# Altium PCB CamLink.PcbDoc (part 1 of 2)
Units mm, origin at the board's own origin, x right, y up, seen from the top; angles counter-clockwise.
Board outline 65 x 55 mm, 4 copper layers (TOP SIG, PWR, GND, BOT SIG), stack 1.586 mm thick; 156 components, 103 nets, 427 pads, 248 vias.
Unrouted connection lines stored in the file: 2.
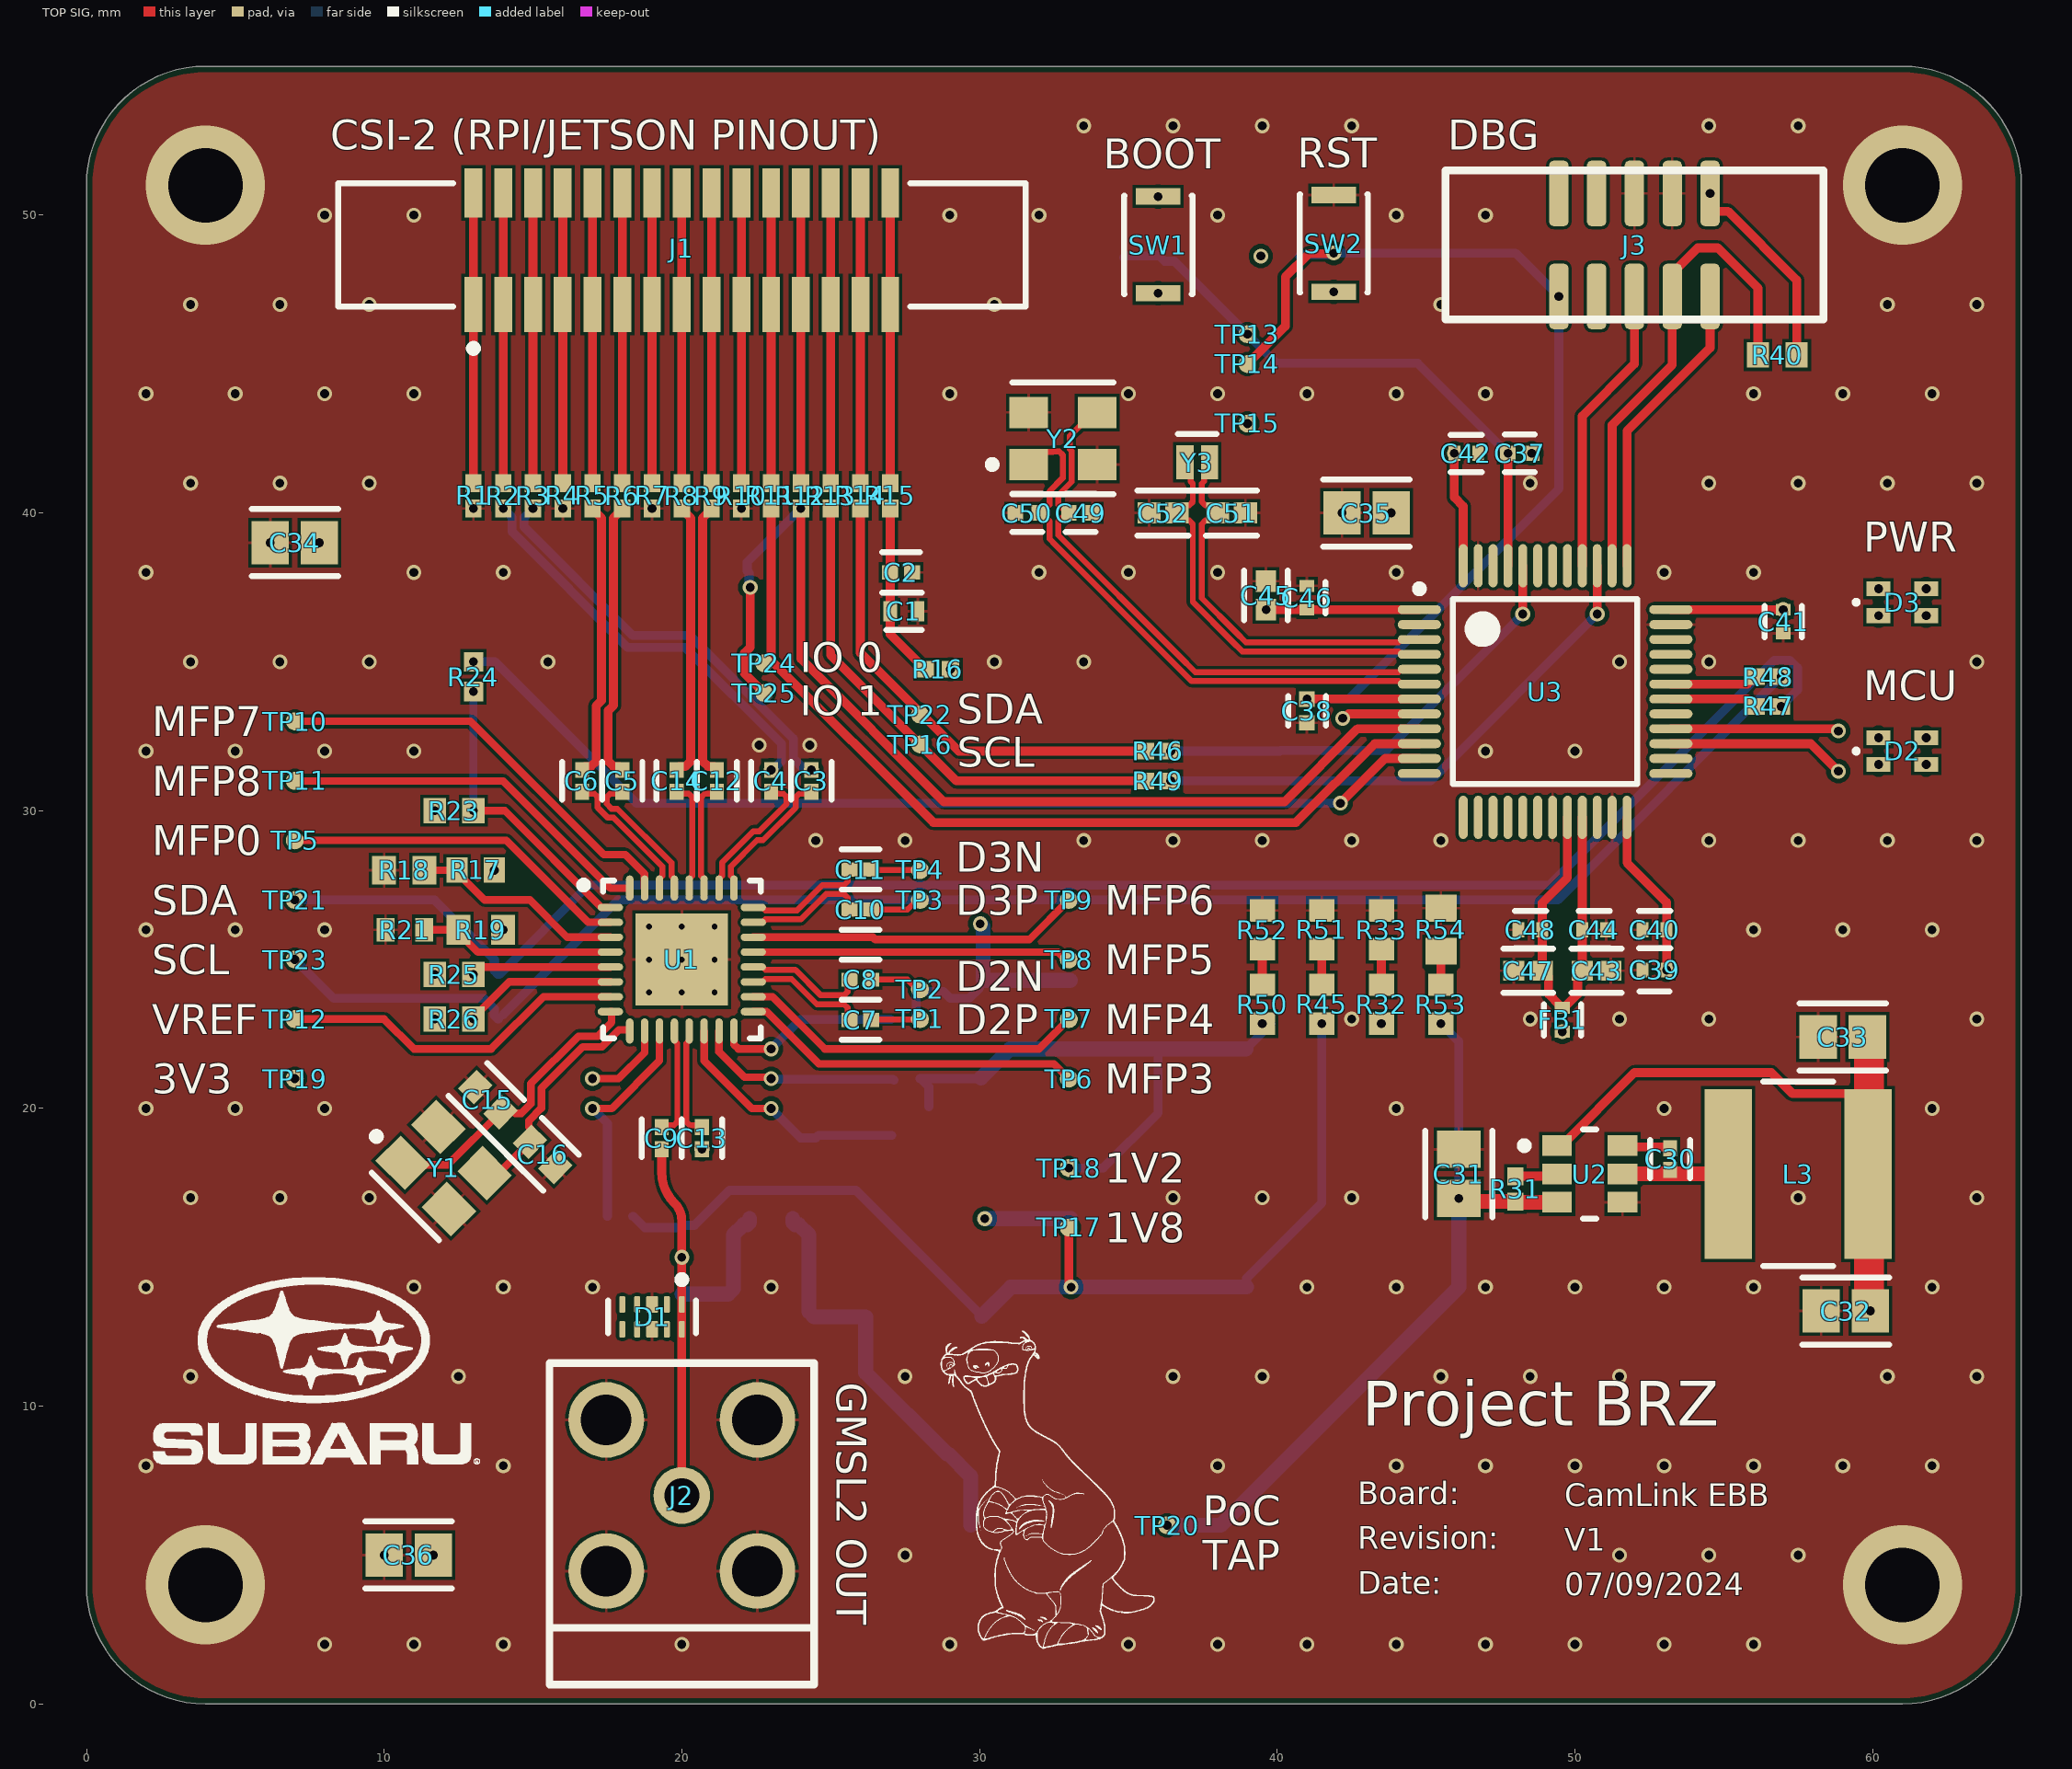
[diagram p0: TOP SIG view]
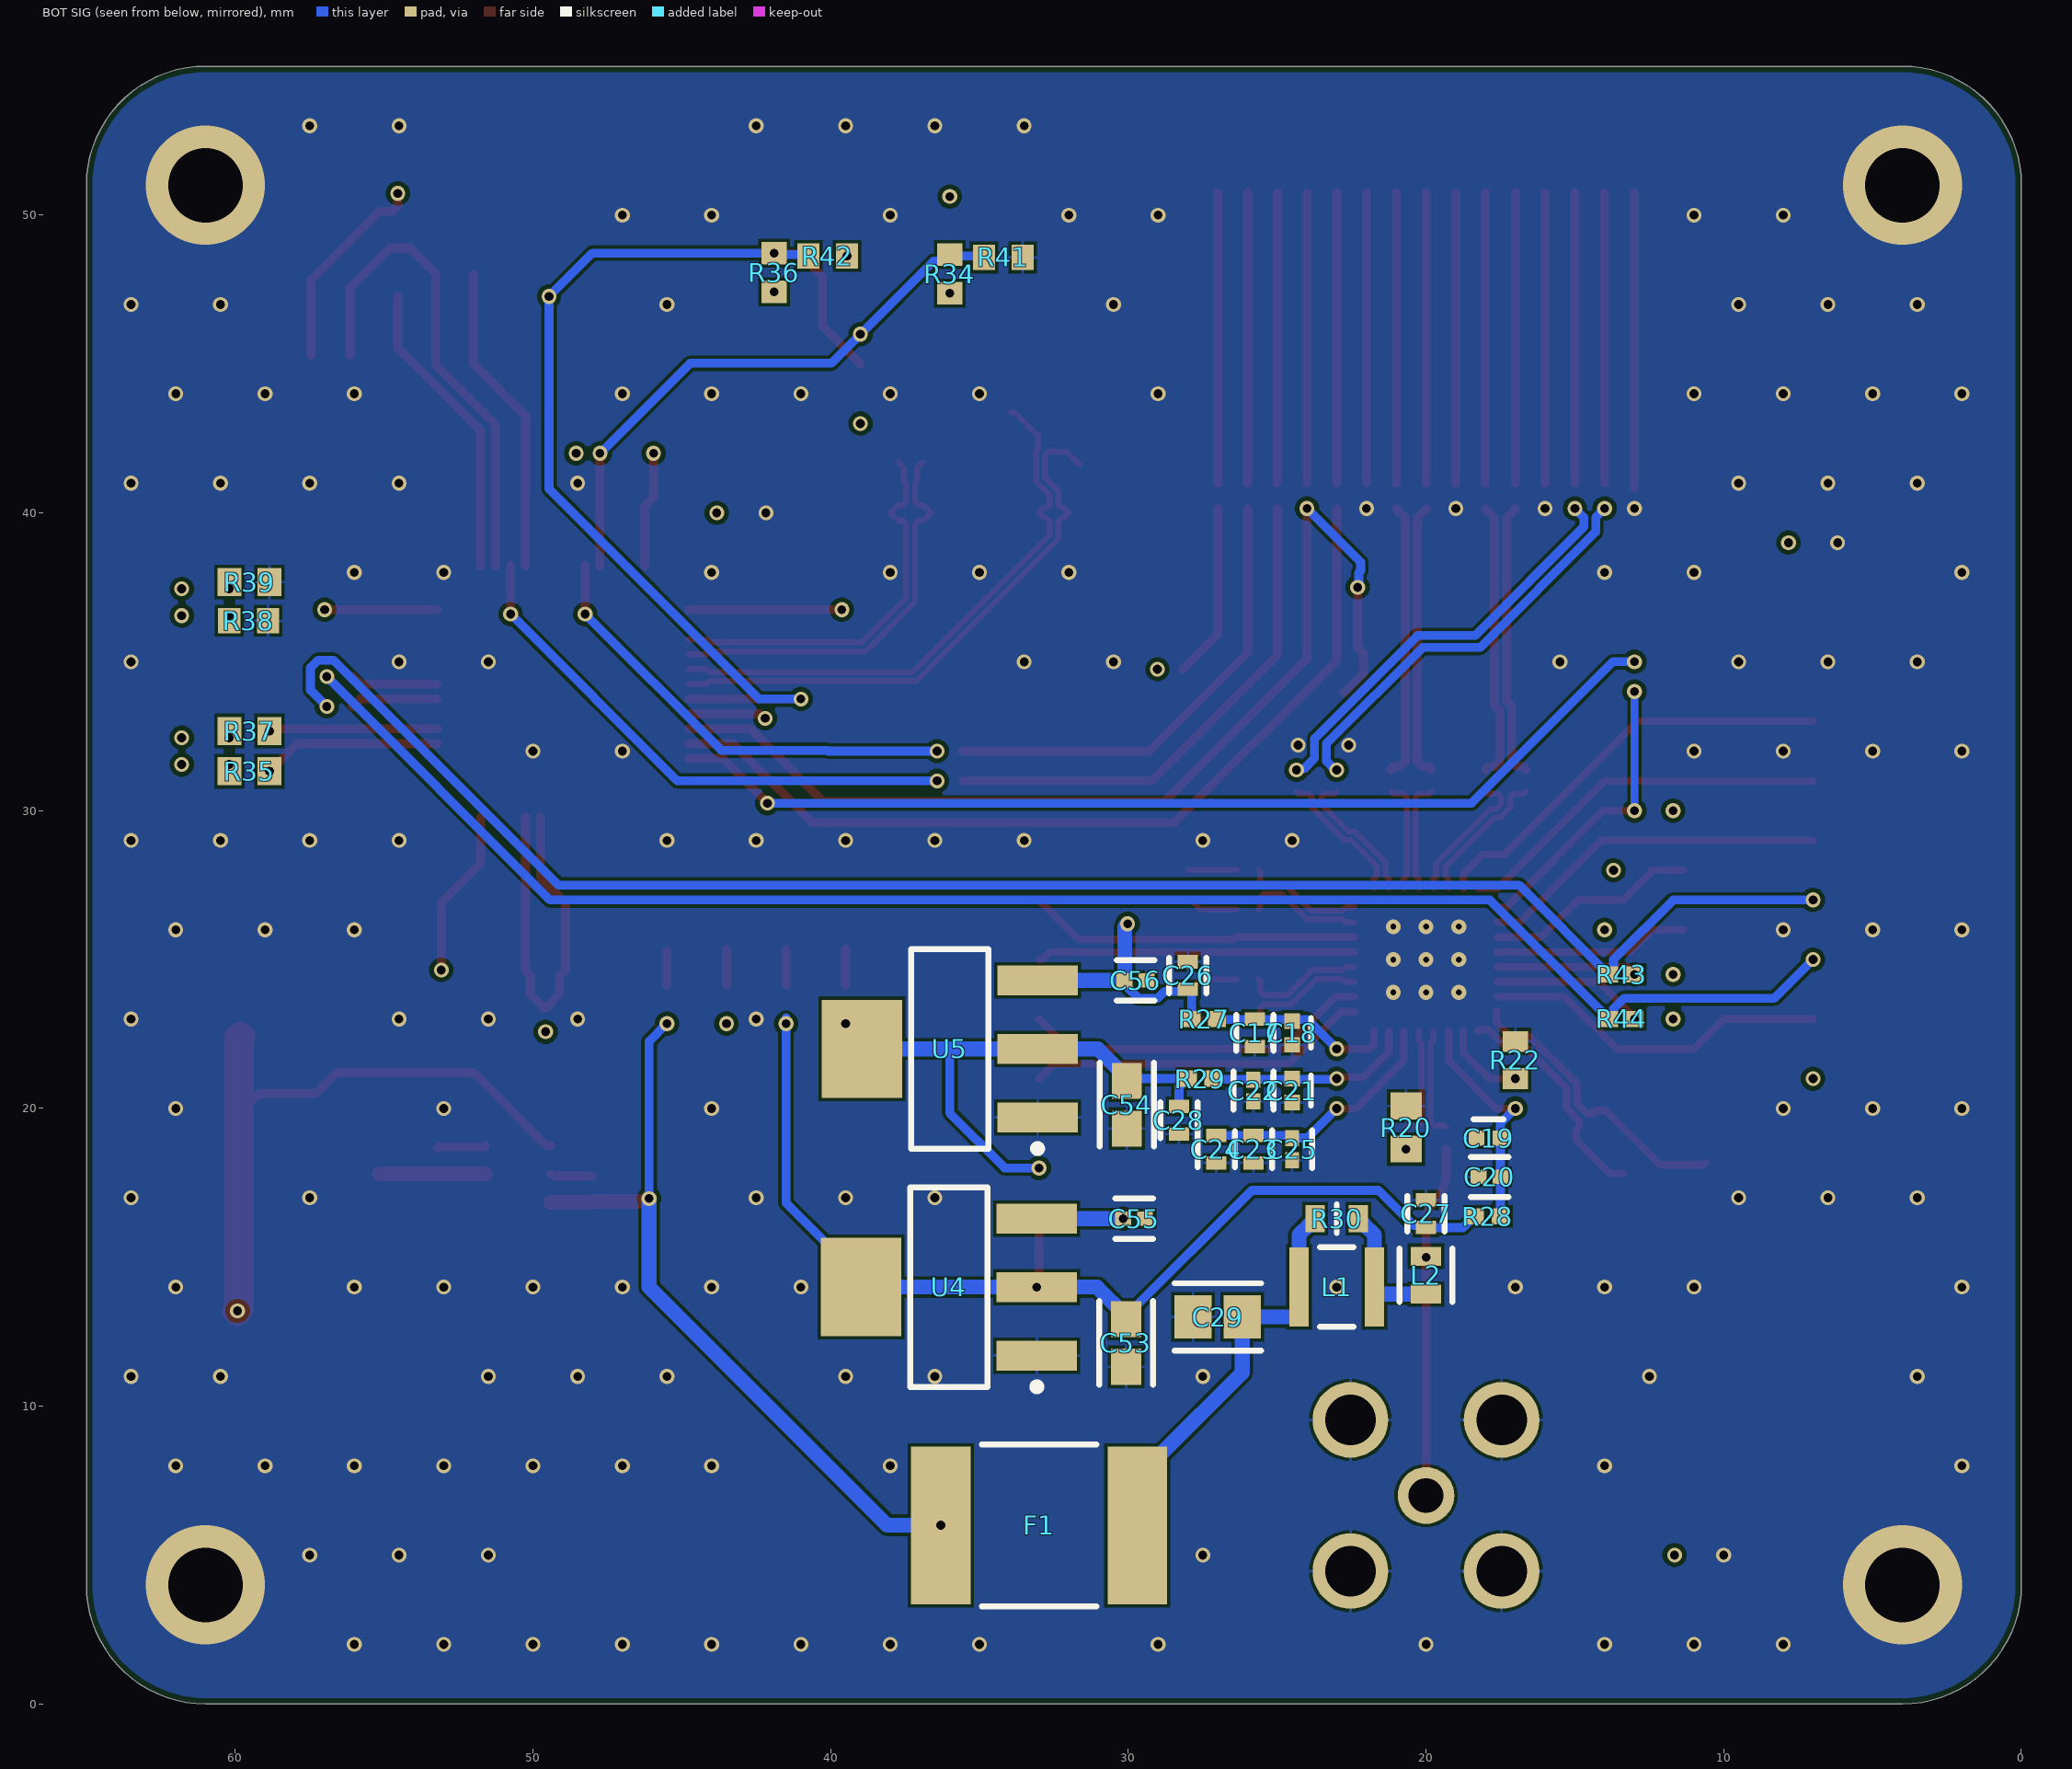
[diagram p1: BOT SIG view, seen from below]
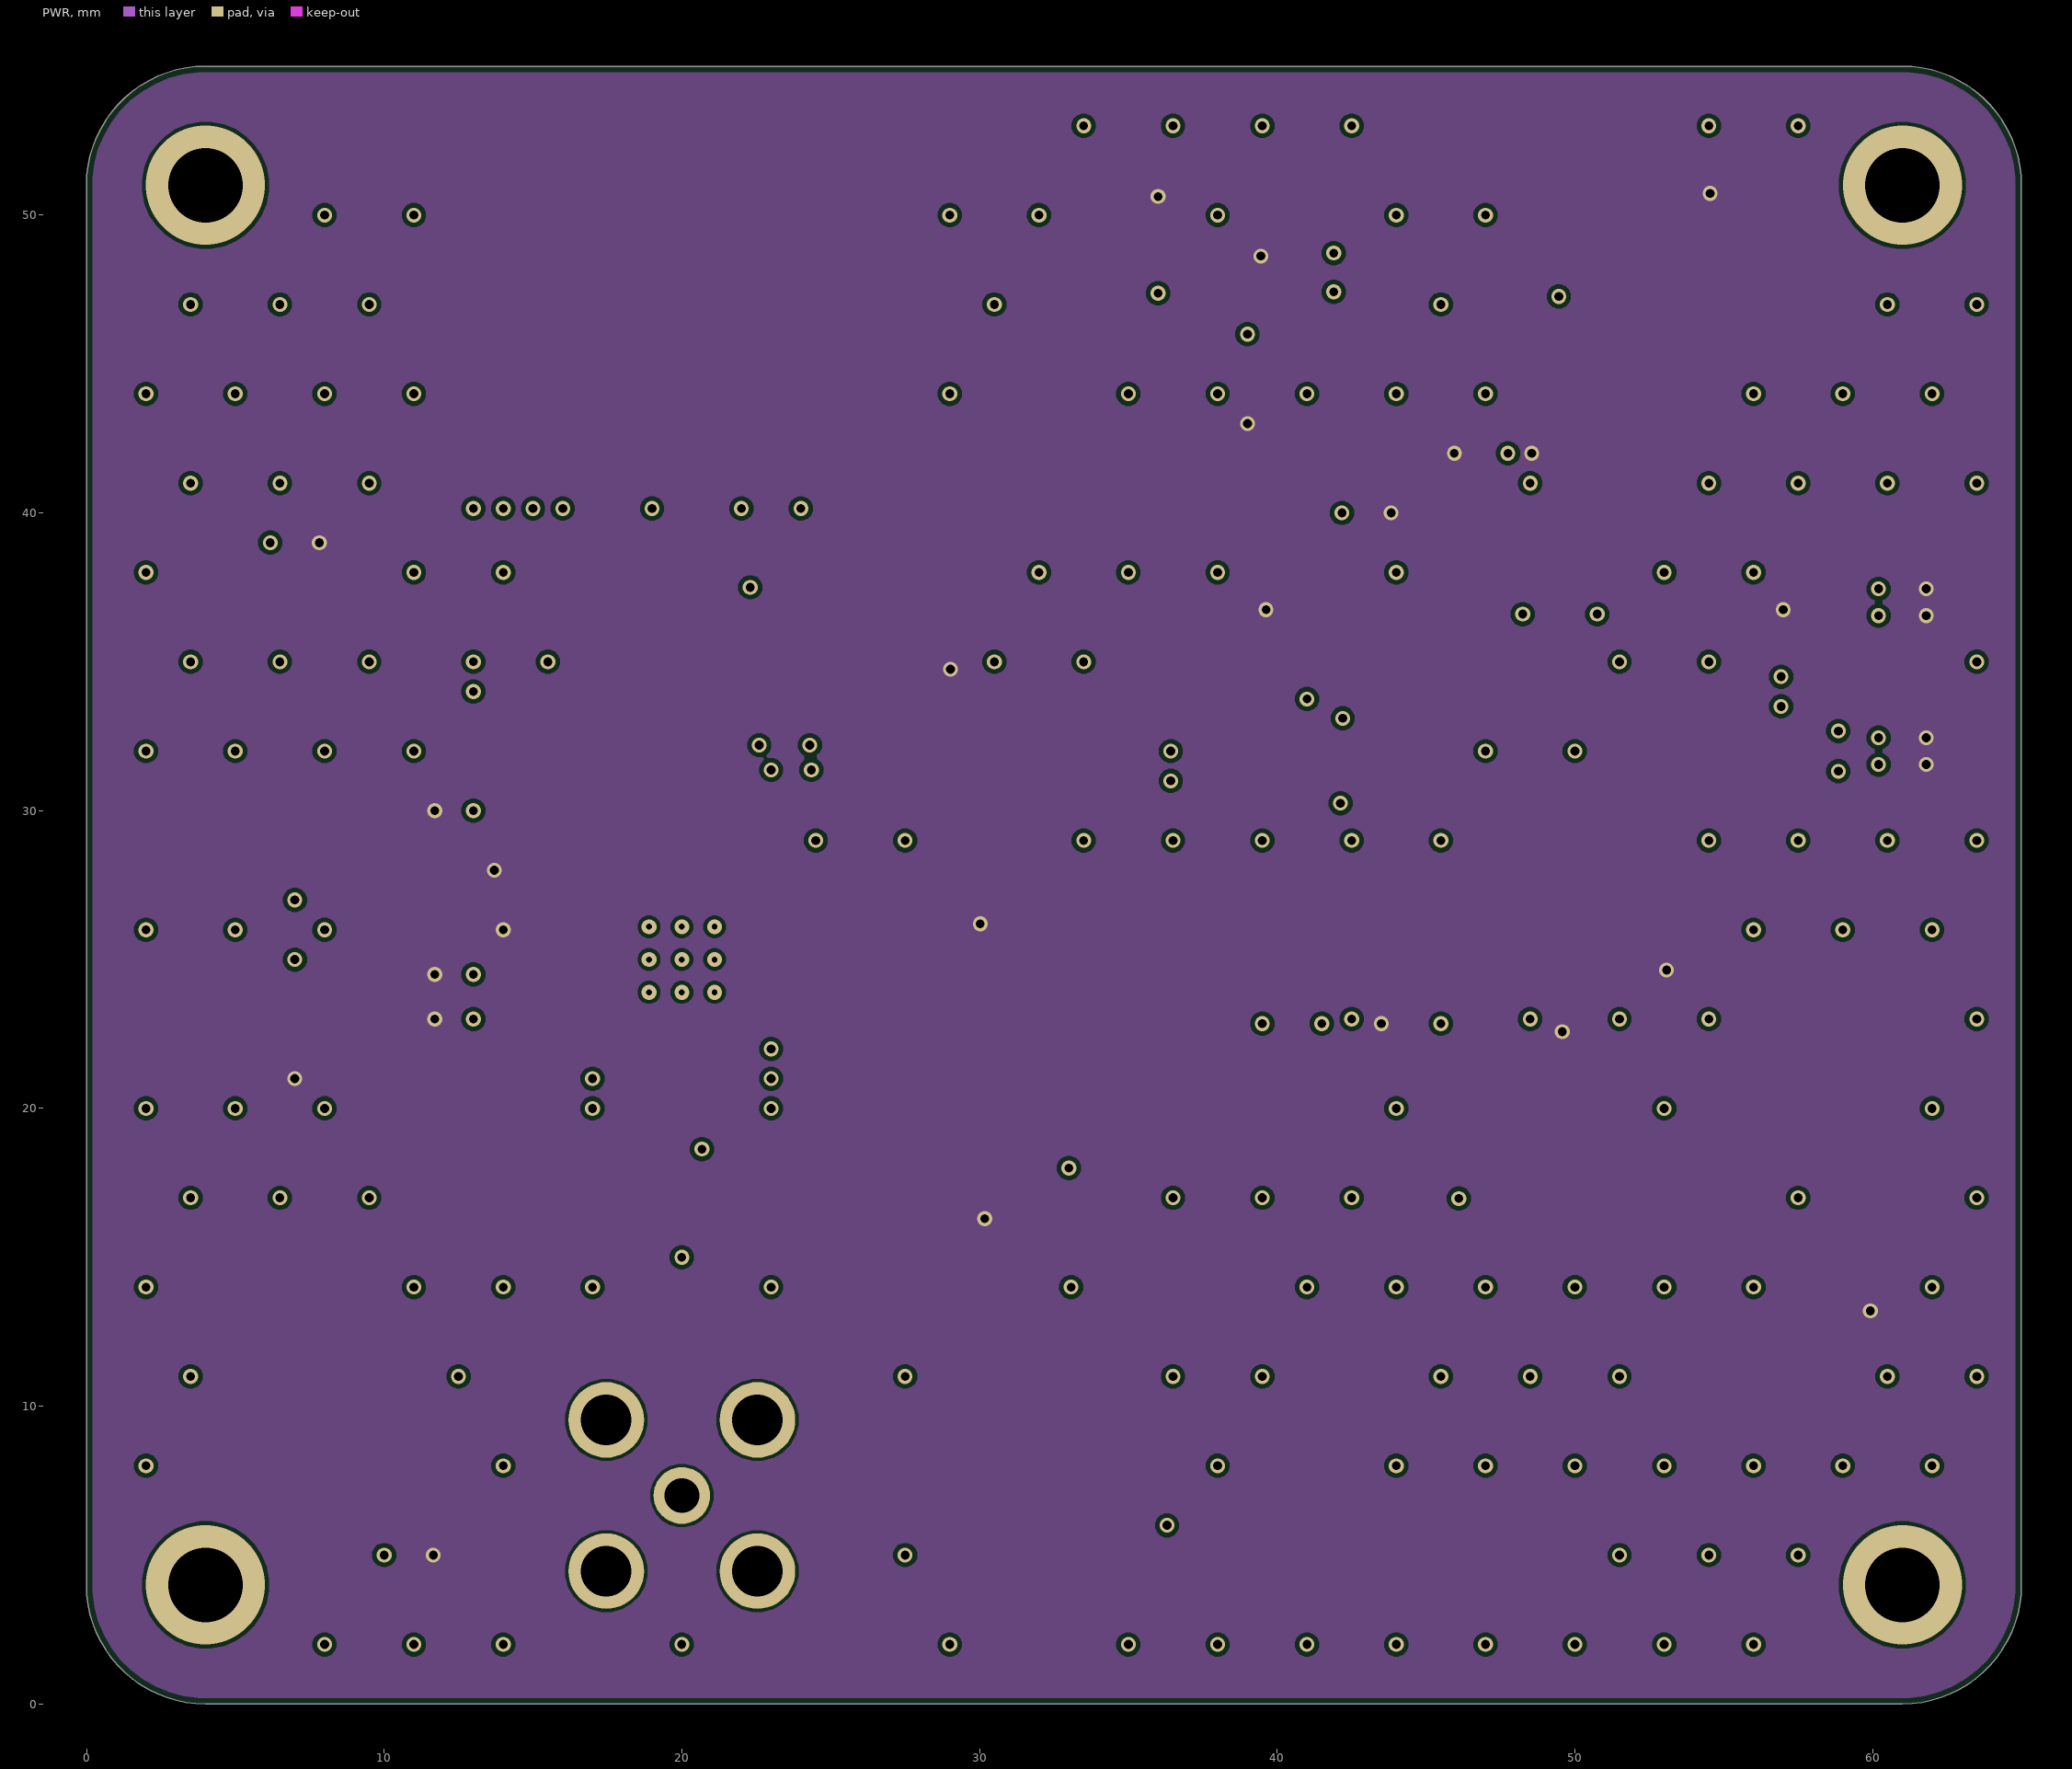
[diagram p2: PWR]
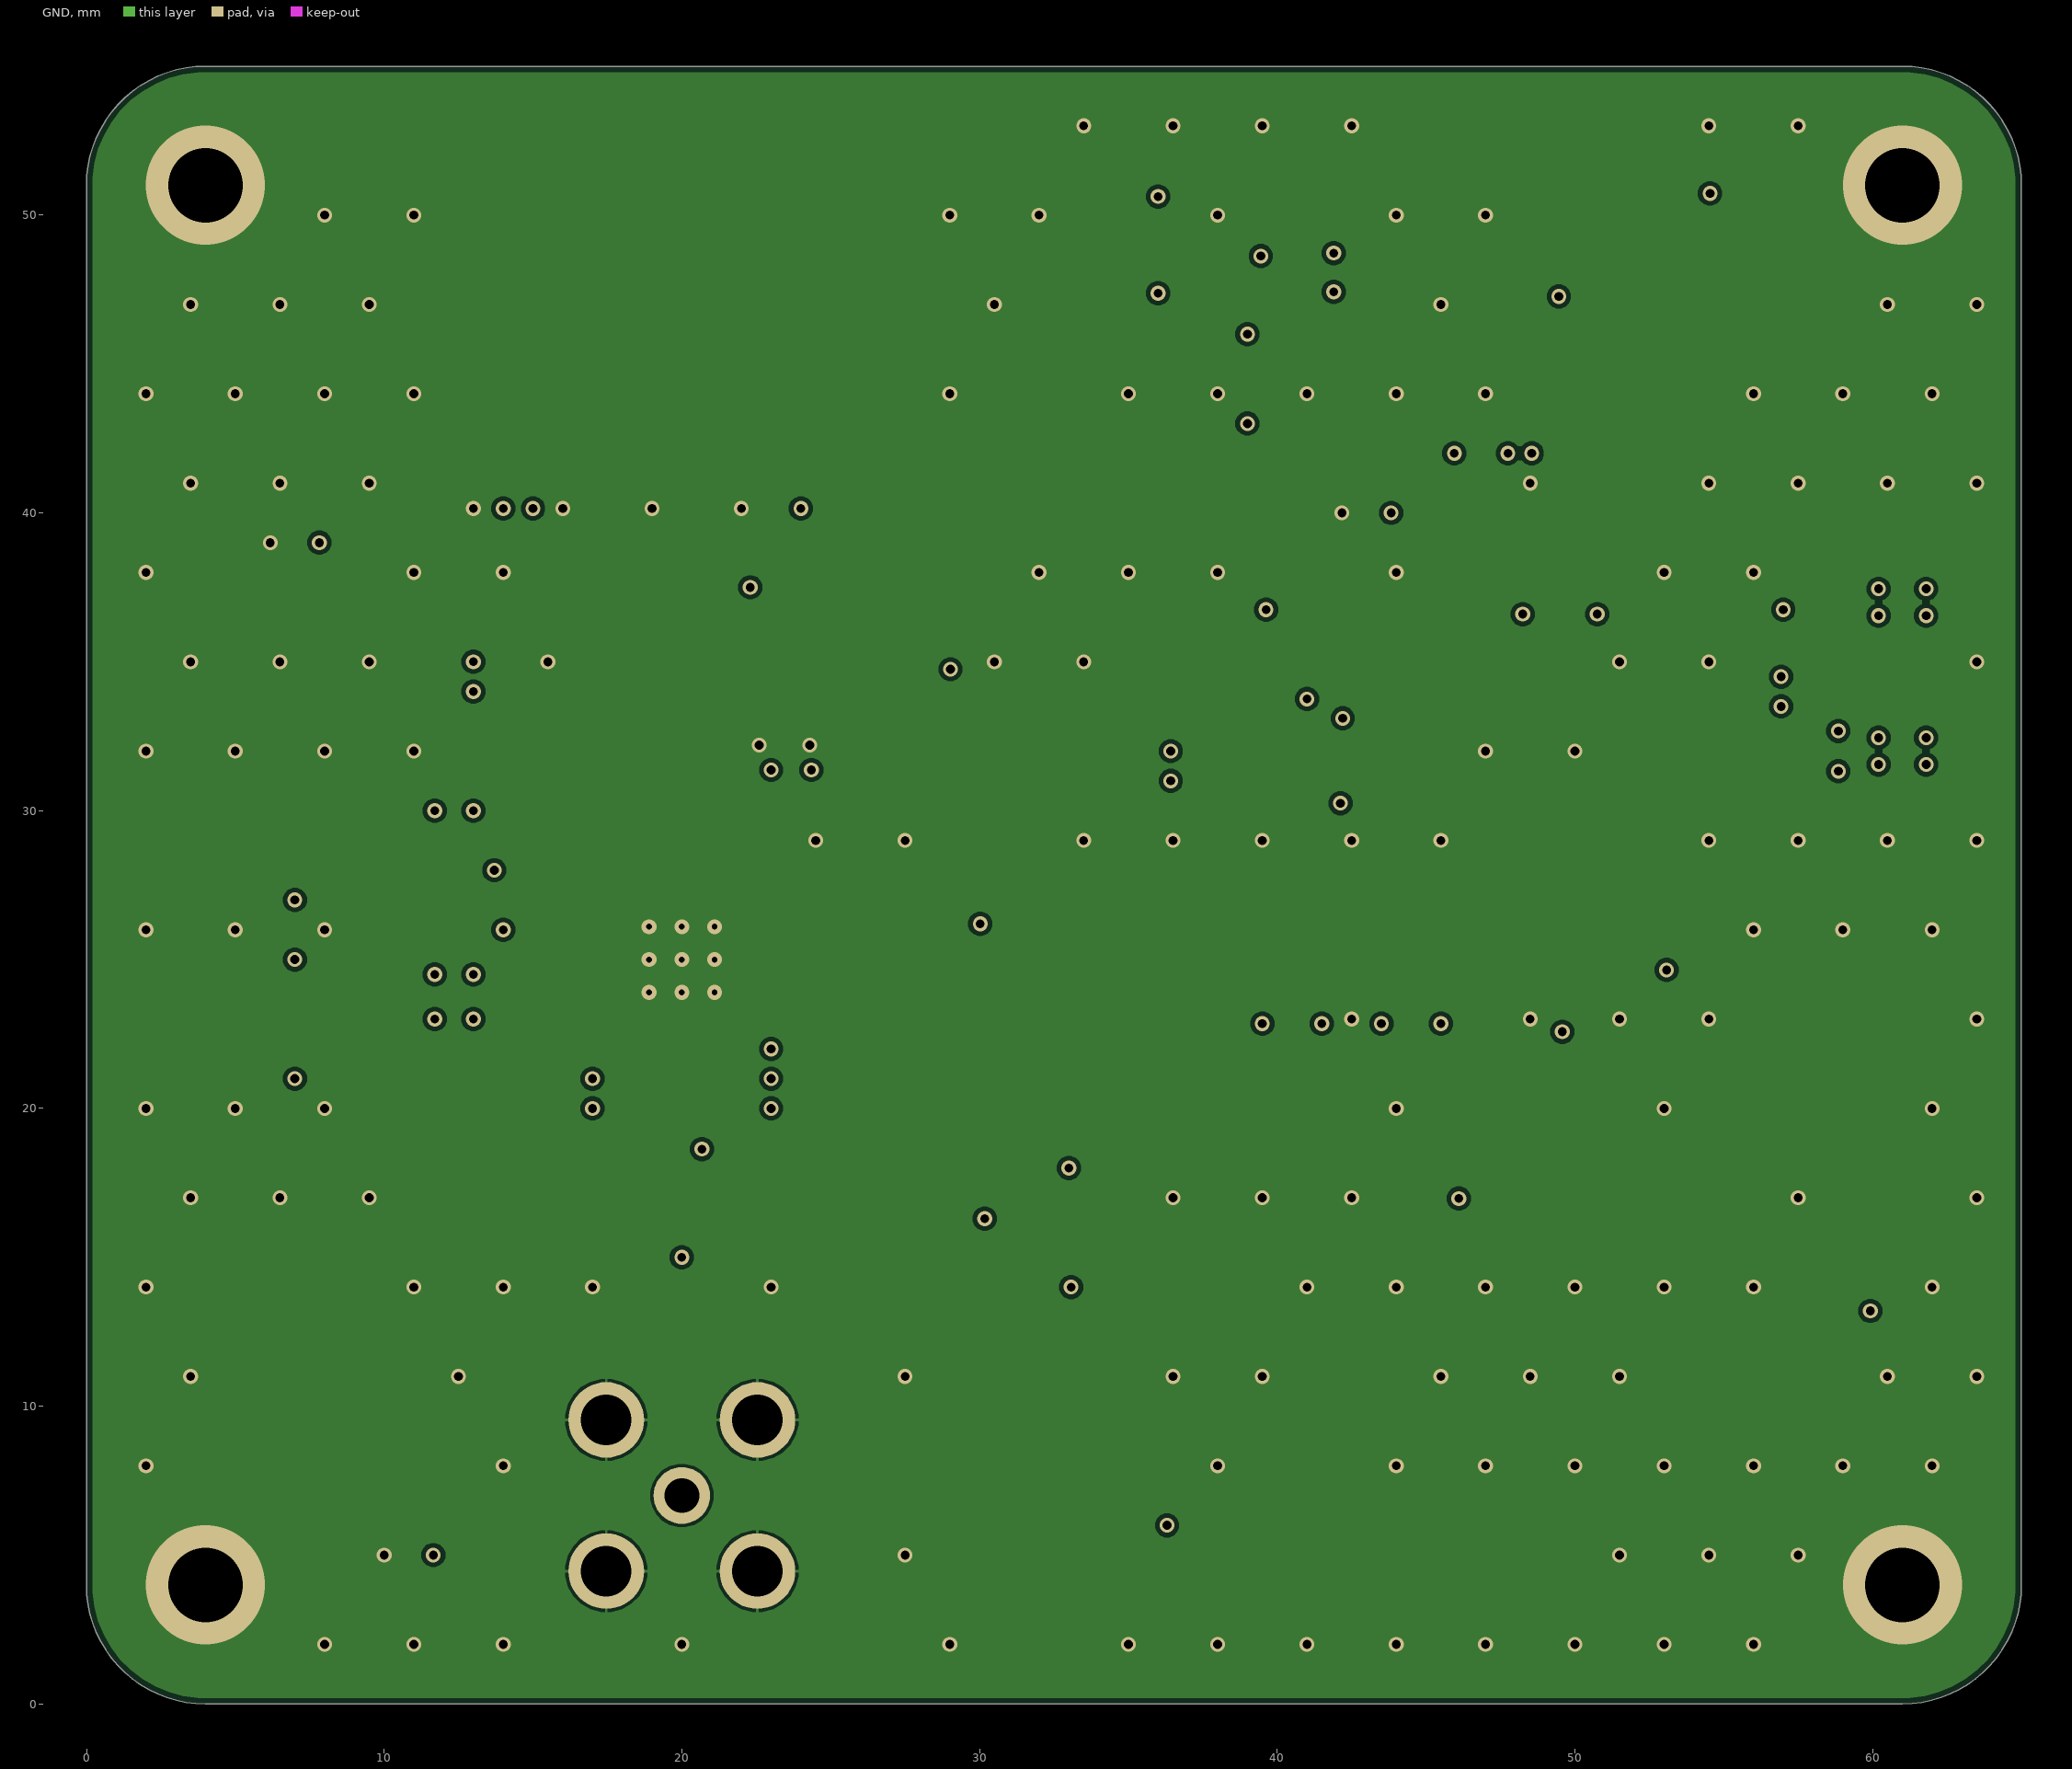
[diagram p3: GND]
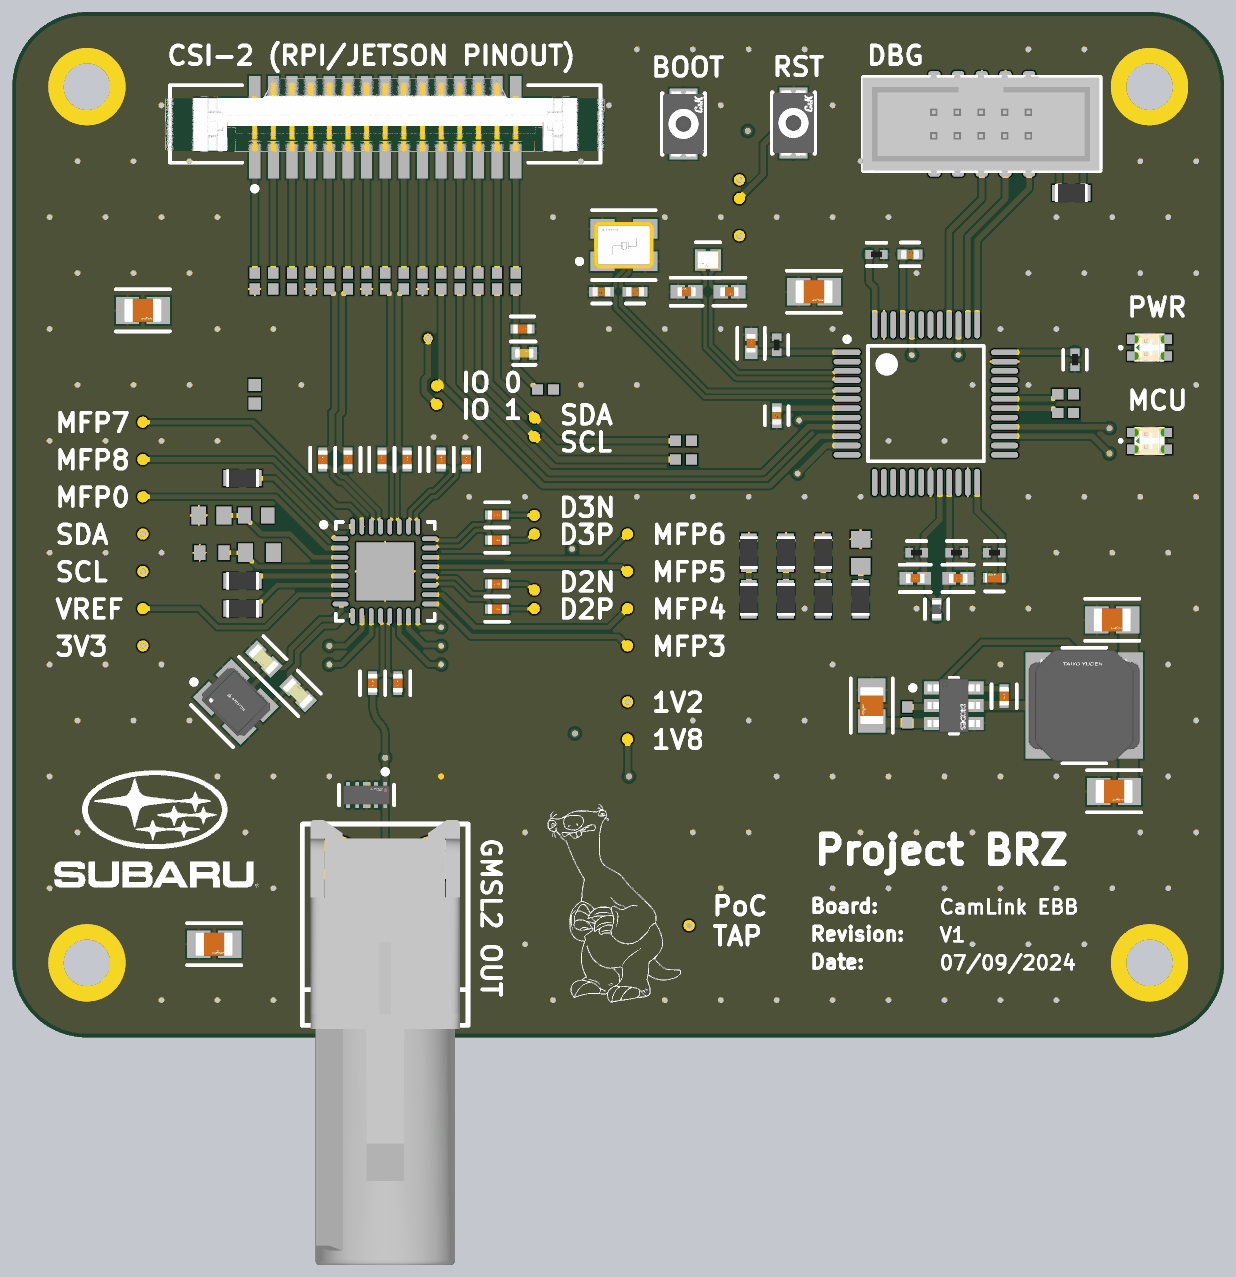
[diagram p5: 3D render of the assembled board from above, using the file's embedded part models]